# Altium PCB RX.PcbDoc
Units mm, origin at the board's own origin, x right, y up, seen from the top; angles counter-clockwise.
Board outline 38.1 x 60.07 mm, 2 copper layers (Top Layer, Bottom Layer); 114 components, 87 nets, 353 pads, 110 vias.
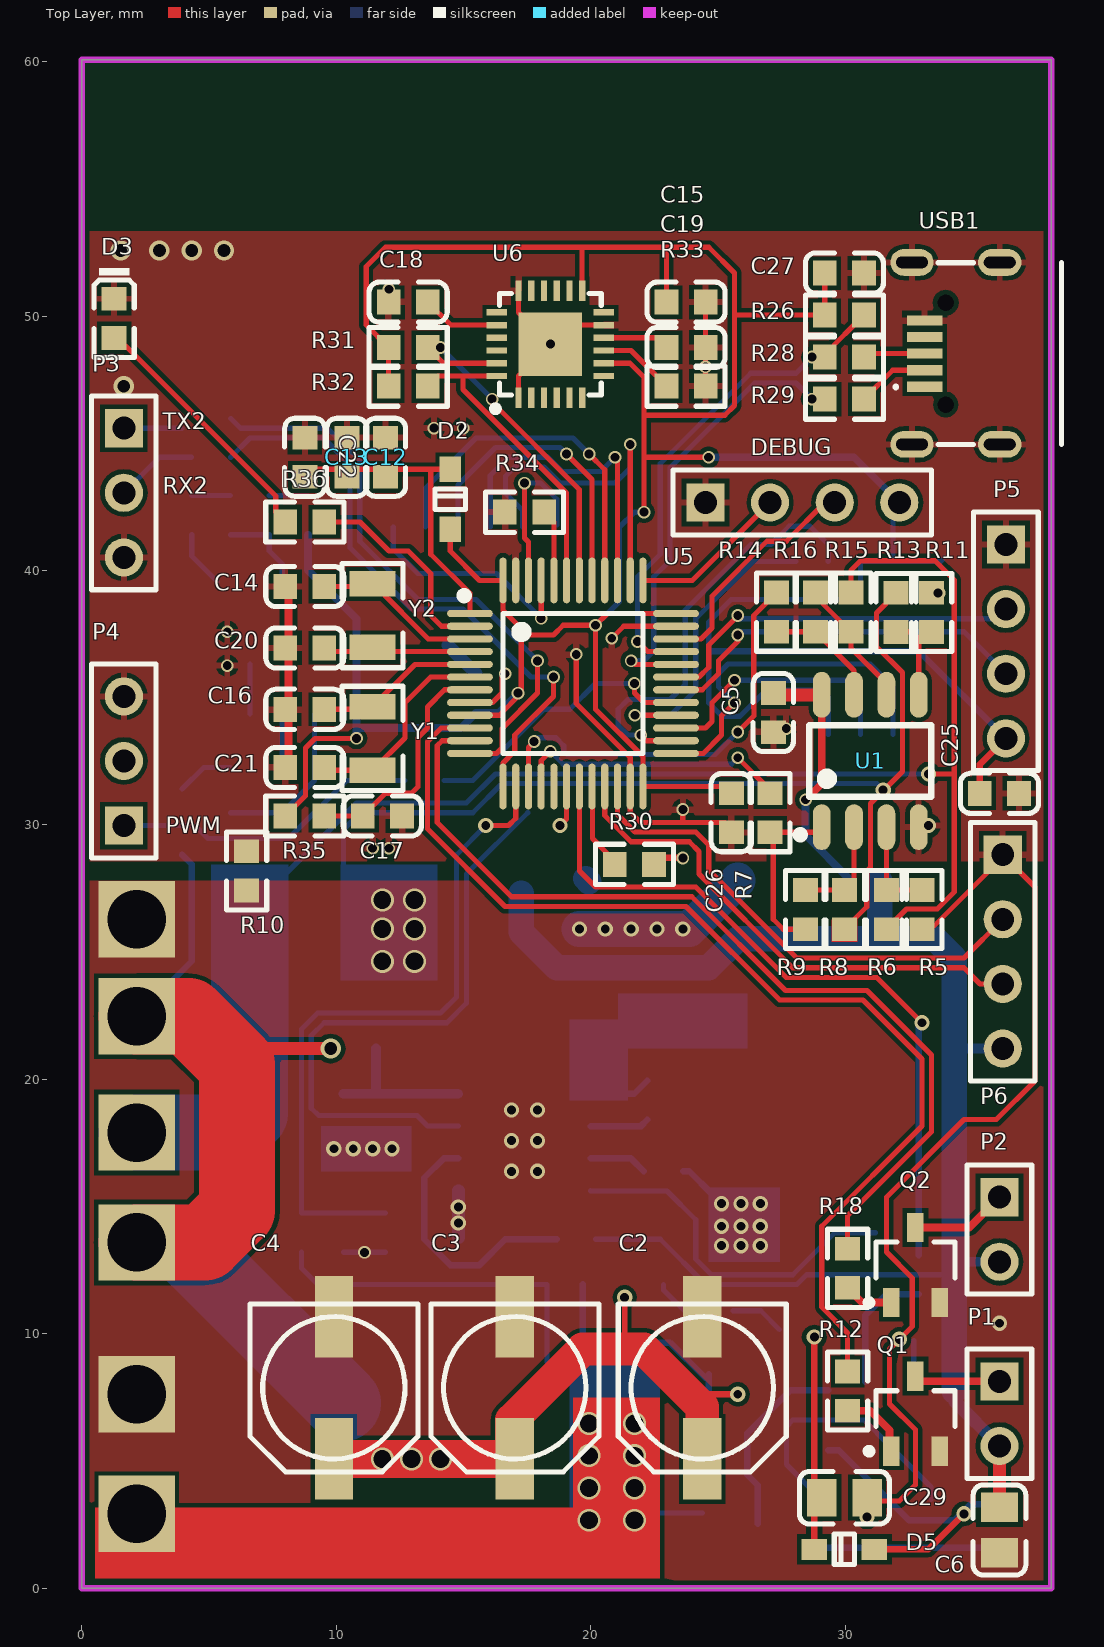
[diagram p0: Top Layer view]
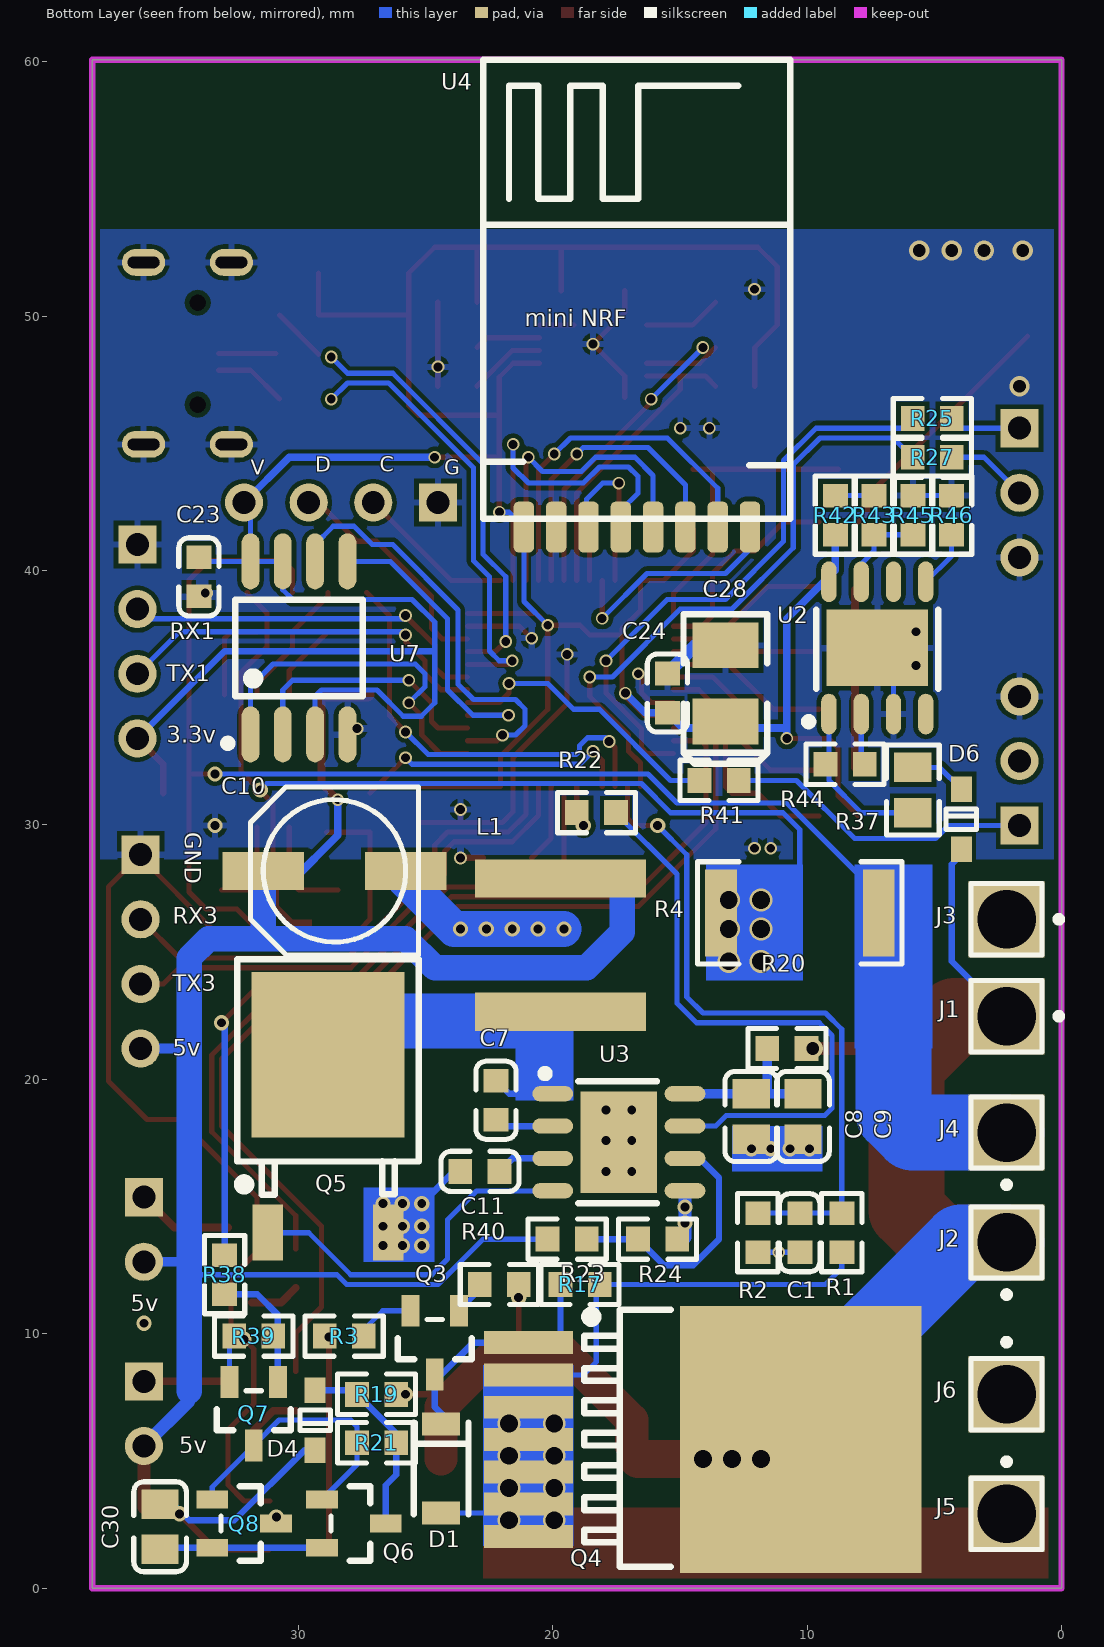
[diagram p1: Bottom Layer view, seen from below]
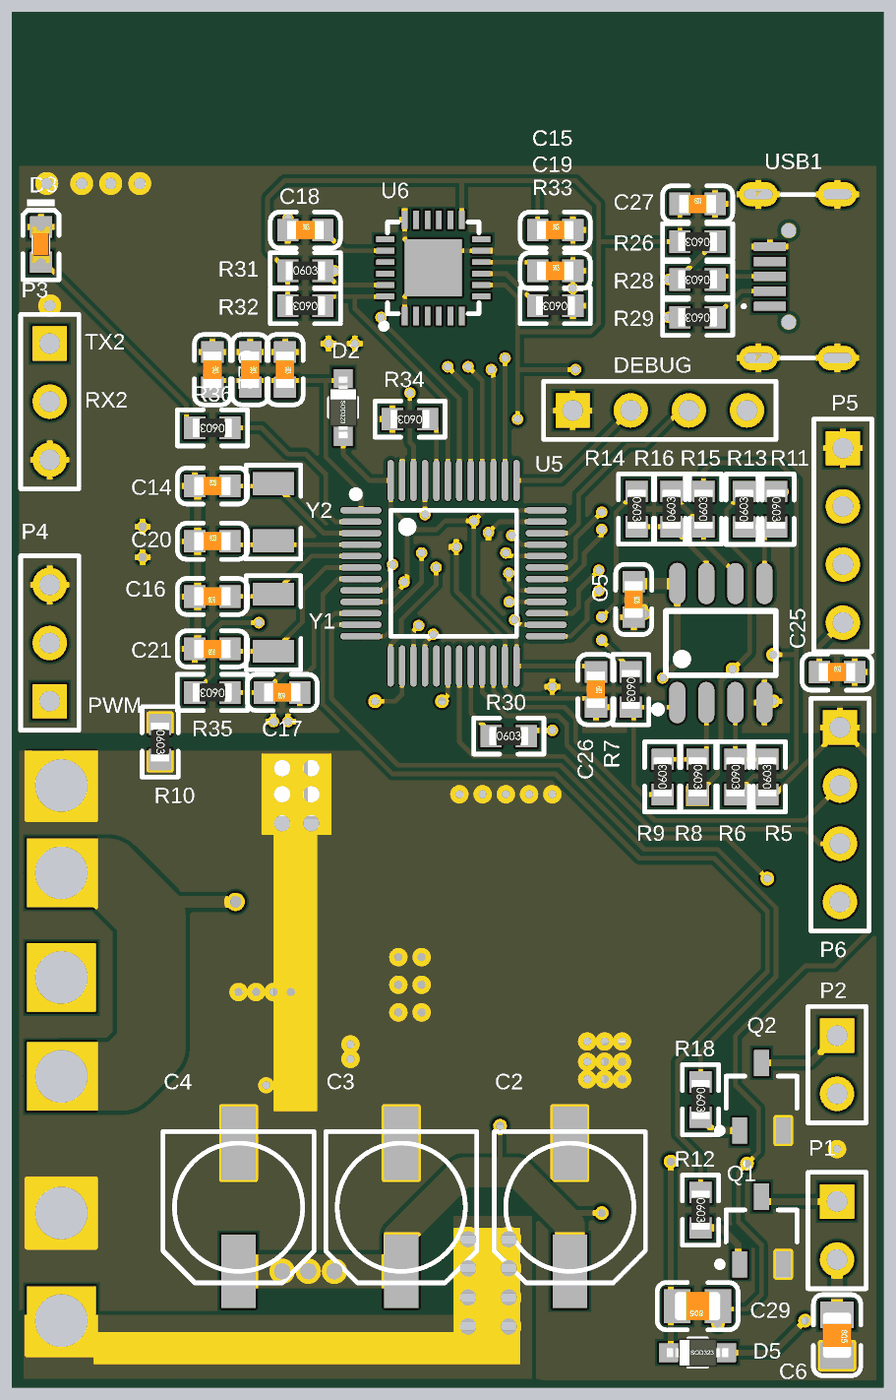
[diagram p2: 3D render of the assembled board from above, using the file's embedded part models]
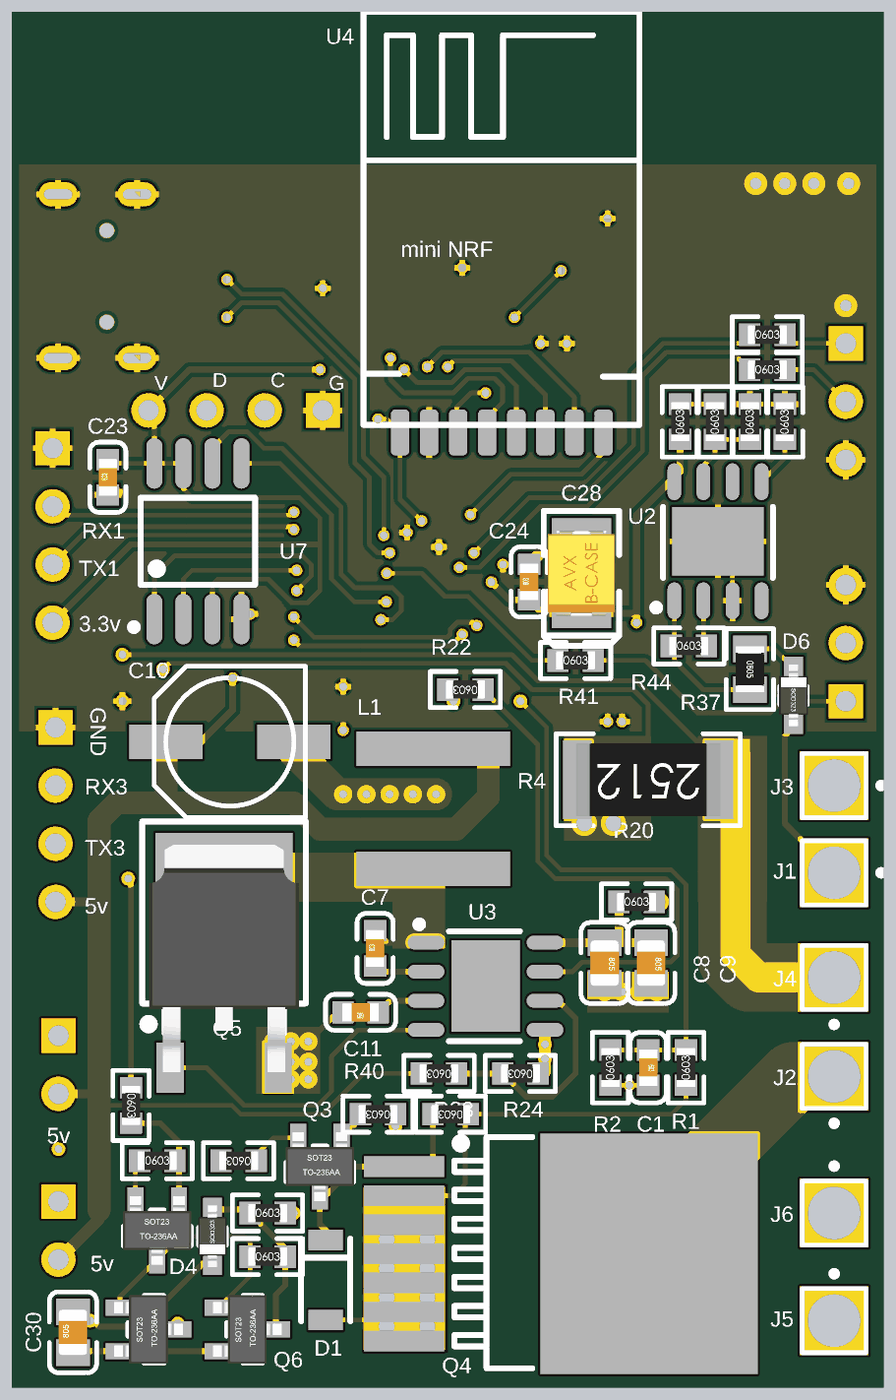
[diagram p3: 3D render of the assembled board from below, using the file's embedded part models]

## Layer stack, top to bottom
Top Layer: signal copper 0.0356
Dielectric: dielectric 0.32, FR-4, Dk 4.8
Bottom Layer: signal copper 0.0356

## Board outline
0,0 38.1,0 38.1,60.071 0,60.071

## Design rules (kind name [scope] priority, off if disabled: settings)
Clearance Clearance_1 [(InNamedPolygon('Top Layer-PGND'))] p1: gap=0.279
Clearance [All] p2: gap=0.178
HoleToHoleClearance [All] p1: gap=0.203 allowstackedmicrovias=TRUE
MinimumSolderMaskSliver [All] p1: minsoldermaskwidth=0.178
PolygonConnect [All] p1: connectstyle=Direct reliefconductorwidth=0.254 reliefentries=4 polygonreliefangle="90 Angle"
RoutingVias [All] p1: holewidth=0.711 width=1.27 viastyle="Through Hole" minholewidth=0.711 minwidth=1.27 maxholewidth=0.711 maxwidth=1.27
SilkToSilkClearance [All] p1: silktosilkclearance=0.203
SilkscreenOverComponentPads [All] p1: minsilkscreentomaskgap=0.102
SolderMaskExpansion [All] p1: expansion=0.102
Width [All] p1: maxlimit=5 minlimit=0.203 preferedwidth=0.254
24 further rules are at their usual default settings.

## Classes and differential pairs
component class U_RX: C12 C13 C14 C15 C16 C17 C18 C19 C20 C21 C22 C23 C24 C25 C26 C27 C28 D2 D3 D6 DEBUG P3 P4 P5 P6 R25 R26 R27 R28 R29 R30 R31 R32 R33 R34 R35 R36 R37 R41 R42 R43 R44 R45 R46 SWIM1 U2 U4 U5 U6 U7 USB1 Y1 Y2
component class U_POWER: C1 C2 C3 C4 C5 C6 C7 C8 C9 C10 C11 C29 C30 D1 D4 D5 J1 J2 J3 J4 J5 J6 L1 P1 P2 Q1 Q2 Q3 Q4 Q5 Q6 Q7 Q8 R1 R2 R3 R4 R5 R6 R7 R8 R9 R10 R11 R12 R13 R14 R15 R16 R17 R18 R19 R20 R21 R22 R23 R24 R38 R39 R40 U1 U3

## Components (designator, comment, footprint, x,y, rotation, side; value= is the part's Value field where it differs from the comment)
C1 "100nF (104) 10% 50V" 0603_C 10.287,13.97 r270 bottom
C2 "100uF" CC6.56.5 24.384,7.874 r90 top
C3 "100uF" CC6.56.5 17.018,7.874 r90 top
C4 "100uF" CC6.56.5 9.906,7.874 r90 top
C5 "100nF (104) 10% 50V" 0603_C 27.178,34.417 r270 top
C6 "10uF" 0805_C 36.068,2.286 r270 top
C7 "100nF" 0603_C 22.225,19.177 r90 bottom
C8 "10uF" 0805_C 12.192,18.542 r270 bottom
C9 "10uF" 0805_C 10.16,18.542 r270 bottom
C10 "100uF" CC6.56.5 28.575,28.194 r180 bottom
C11 "1uF" 0603_C 22.86,16.383 r0 bottom
C12 "10uF" 0603_C 11.938,44.45 r270 top
C13 "10uF" 0603_C 10.414,44.45 r270 top
C14 "15pF (150) 5% 50V" 0603_C 8.763,39.37 r0 top
C15 "100nF (104) 10% 50V" 0603_C 23.749,50.546 r0 top
C16 "15pF (150) 5% 50V" 0603_C 8.763,34.544 r180 top
C17 "1uF (105) 10% 50V" 0603_C 11.811,30.353 r180 top
C18 "10uF" 0603_C 12.827,50.546 r0 top
C19 "100nF" 0603_C 23.749,48.768 r0 top
C20 "15pF (150) 5% 50V" 0603_C 8.763,36.957 r0 top
C21 "15pF (150) 5% 50V" 0603_C 8.763,32.258 r180 top
C22 "10uF" 0603_C 8.763,44.45 r270 top
C23 "100nF (104) 10% 50V" 0603_C 33.909,39.751 r90 bottom
C24 "100nF" 0603_C 15.494,35.179 r90 bottom
C25 "100nF" 0603_C 36.068,31.242 r0 top
C26 "100nF" 0603_C 25.527,30.48 r270 top
C27 "100nF" 0603_C 29.972,51.689 r0 top
C28 "100uF" CASE-B_3528 13.208,35.56 r270 bottom
C29 "10uF" 0805_C 29.972,3.556 r180 top
C30 "10uF" 0805_C 35.433,2.413 r90 bottom
D1 "9V" LL-34 24.384,4.699 r270 bottom
D2 "1N4148WS T4" SOD-323 14.478,42.799 r270 top
D3 "白灯 0603" 0603_LED_S1 1.27,49.911 r270 top
D4 "1N4148WS T4" SOD-323 29.337,6.604 r90 bottom
D5 "1N4148WS T4" SOD-323 29.972,1.524 r0 top
D6 "1N4148WS T4" SOD-323 3.937,30.226 r270 bottom
DEBUG "Header 4" HDR1X4 24.511,42.672 r0 top
J1 "Socket" PIN1 2.159,22.479 r270 bottom
J2 "Socket" PIN1 2.159,13.589 r0 bottom
J3 "Socket" PIN1 2.159,26.289 r270 bottom
J4 "Socket" PIN1 2.159,17.907 r0 bottom
J5 "Socket" PIN1 2.159,2.921 r180 bottom
J6 "Socket" PIN1 2.159,7.62 r180 bottom
L1 "4.3uH ±10%" 2225 19.685,25.273 r270 bottom
P1 "LED1" HDR1X2 36.068,8.128 r270 top
P2 "LED2" HDR1X2 36.068,15.367 r270 top
P3 "Header 3" HDR1X3 1.651,45.593 r270 top
P4 "Header 3" HDR1X3 1.651,29.972 r90 top
P5 "Header 4" HDR1X4 36.322,41.021 r270 top
P6 "Header 4" HDR1X4 36.195,28.829 r270 top
Q1 "AO3400A" SOT-23-3L 32.766,6.858 r270 top
Q2 "AO3400A" SOT-23-3L 32.766,12.7 r270 top
Q3 "SS8550 Y2" SOT-23(SOT-23-3) 24.638,9.652 r90 bottom
Q4 "NMOS" TO-263-7 20.955,5.842 r0 bottom
Q5 "N道沟" TO-252-2 28.829,13.97 r270 bottom
Q6 "SS8050 Y1" SOT-23(SOT-23-3) 27.813,2.54 r0 bottom
Q7 "SS8050 Y1" SOT-23(SOT-23-3) 31.75,6.858 r90 bottom
Q8 "SS8550 Y2" SOT-23(SOT-23-3) 32.131,2.54 r0 bottom
R1 "110KΩ (1103) ±1%" 0603_R 8.636,13.97 r90 bottom
R2 "10KΩ (1002) ±1%" 0603_R 11.938,13.97 r90 bottom
R3 "680Ω (6800) ±1%" 0603_R 28.194,9.906 r0 bottom
R4 "0.001Ω" 2512_R 10.287,26.543 r0 bottom
R5 "100KΩ (3002) ±1%" 0603_R 33.02,26.67 r90 top
R6 "10KΩ (1002) ±1%" 0603_R 31.623,26.67 r270 top
R7 "10KΩ (1002) ±1%" 0603_R 27.051,30.48 r270 top
R8 "10KΩ (1002) ±1%" 0603_R 29.972,26.67 r270 top
R9 "100KΩ (3002) ±1%" 0603_R 28.448,26.67 r90 top
R10 "0Ω (0R0) ±1%" 0603_R 6.477,28.194 r270 top
R11 "100KΩ (3002) ±1%" 0603_R 33.401,38.354 r270 top
R12 "1KΩ" 0603_R 30.099,7.747 r270 top
R13 "10KΩ (1002) ±1%" 0603_R 32.004,38.354 r90 top
R14 "10KΩ (1002) ±1%" 0603_R 27.305,38.362 r270 top
R15 "10KΩ (1002) ±1%" 0603_R 30.226,38.362 r90 top
R16 "100KΩ (3002) ±1%" 0603_R 28.829,38.362 r90 top
R17 "10KΩ" 0603_R 18.923,11.938 r0 bottom
R18 "1KΩ" 0603_R 30.099,12.573 r270 top
R19 "680Ω (6800) ±1%" 0603_R 26.924,7.62 r180 bottom
R20 "0Ω (0R0) ±1%" 0603_R 10.795,21.209 r180 bottom
R21 "4.7KΩ (4701) ±1%" 0603_R 26.924,5.715 r180 bottom
R22 "1KΩ (1001) ±1%" 0603_R 18.28,30.48 r0 bottom
R23 "51KΩ" 0603_R 19.431,13.716 r0 bottom
R24 "10KΩ" 0603_R 15.875,13.716 r0 bottom
R25 "470Ω (4700) ±1%" 0603_R 5.08,45.974 r180 bottom
R26 "4.7KΩ (4701) ±1%" 0603_R 29.972,50.038 r180 top
R27 "470Ω (4700) ±1%" 0603_R 5.08,44.45 r180 bottom
R28 "22Ω (22R0) ±1%" 0603_R 29.972,48.387 r180 top
R29 "22Ω (22R0) ±1%" 0603_R 29.972,46.736 r180 top
R30 "10KΩ (1002) ±1%" 0603_R 21.717,28.448 r0 top
R31 "10KΩ" 0603_R 12.827,48.768 r0 top
R32 "10KΩ" 0603_R 12.827,47.244 r180 top
R33 "10KΩ" 0603_R 23.749,47.244 r180 top
R34 "10KΩ (1002) ±1%" 0603_R 17.399,42.291 r180 top
R35 "10KΩ (1002) ±1%" 0603_R 8.763,30.353 r180 top
R36 "470Ω (4700) ±1%" 0603_R 8.763,41.91 r180 top
R37 "0Ω" 0805_R 5.842,31.369 r270 bottom
R38 "1KΩ" 0603_R 32.893,12.319 r270 bottom
R39 "100KΩ" 0603_R 31.75,9.906 r180 bottom
R40 "10KΩ" 0603_R 22.098,11.938 r0 bottom
R41 "470Ω (4700) ±1%" 0603_R 13.462,31.75 r180 bottom
R42 "4.3KΩ" 0603_R 8.89,42.172 r90 bottom
R43 "160KΩ" 0603_R 7.366,42.172 r90 bottom
R44 "100KΩ" 0603_R 8.509,32.385 r180 bottom
R45 "100KΩ" 0603_R 5.842,42.172 r90 bottom
R46 "10KΩ" 0603_R 4.318,42.172 r90 bottom
U1 "LM358DR2G" SOIC-8_150mil 30.988,32.512 r0 top
U2 "MAX5024" SOIC-8_EP_150mil 7.239,36.957 r180 bottom
U3 "MP38892" SOIC-8_EP_150mil 17.399,17.526 r270 bottom
U4 "NRF24L01" miniNRF24L01 21.463,42.418 r180 bottom locked
U5 "STM32F103C8T6" LQFP-48_7x7x05P 19.304,35.56 r270 top locked
U6 "MPU6050" QFN24 18.415,48.895 r90 top
U7 "W25Q128FVSIG" SOIC-8_208mil 29.972,36.957 r180 bottom
USB1 "USB口" "MICRO USB" 32.639,44.958 r90 top
Y1 "8MHz ±20ppm 20pF" "SMD-3215_2P FC - 135" 11.43,33.401 r90 top
Y2 "32.768KHz ±20ppm 12.5pF" "SMD-3215_2P FC - 135" 11.43,38.227 r90 top

## Footprints (in the part's own frame and the unit in brackets; to place one, negate y for a bottom-side part, rotate by r counter-clockwise, add the part's x,y. Pads: shape width x height; smd on the part's side, far side on the other; paste and mask are expansions set on the pad)
0603_C [mm]
  rect 0.93x0.98 smd: 1(-0.77,0) 2(0.77,0)
  silkscreen extent -1.53,-0.79 1.54,0.79, body extent -0.8,-0.4 0.8,0.4, height 0.3
0603_LED_S1 [mm]
  rect 0.93x0.98 smd: A(0.77,0) K(-0.77,0)
  silkscreen extent -1.97,-0.79 1.54,0.79, body extent -0.8,-0.4 0.8,0.4, height 0.6
0603_R [mm]
  rect 0.93x0.98 smd: 1(-0.77,0) 2(0.77,0)
  silkscreen extent -1.53,-0.79 1.54,0.79, body extent -0.85,-0.4 0.85,0.4, height 0.56
0805_C [mm]
  rect 1.16x1.47 smd: 1(-0.89,0) 2(0.89,0)
  silkscreen extent -1.77,-1.04 1.77,1.04, body extent -1,-0.62 1,0.63, height 0.77
0805_R [mm]
  rect 1.16x1.47 smd: 1(-0.89,0) 2(0.89,0)
  silkscreen extent -1.77,-1.04 1.77,1.03, body extent -1,-0.63 1,0.63, height 0.49
2225 [mm]
  rect 1.5x6.72 smd: 1(-2.62,0) 2(2.62,0)
2512_R [mm]
  rect 1.25x3.42 smd: 1(-3.1,0) 2(3.1,0)
  silkscreen extent -4.03,-2.01 4.02,2.01, body extent -3.16,-1.6 3.16,1.6, height 0.62
CASE-B_3528 [mm]
  rect 1.8x2.6 smd: 1(1.5,0) 2(-1.5,0)
  silkscreen extent -2.73,-1.65 3.16,1.65, body extent -1.85,-1.47 1.85,1.46, height 2.03
CC6.56.5 [mm]
  rect 3.2x1.5 smd: 1(-2.794,0) 2(2.8,0)
  silkscreen extent -3.3,-3.3 3.3,3.3
HDR1X2 [mm] "Connector; Header; 2 Position"
  rect 1.5x1.5 hole 0.9: 1(0,0)
  round 1.5 hole 0.9: 2(2.54,0)
  silkscreen extent -1.27,-1.27 3.81,1.27
HDR1X3 [mm] "Connector; Header; 3 Position"
  rect 1.5x1.5 hole 0.9: 1(0,0)
  round 1.5 hole 0.9: 2(2.54,0) 3(5.08,0)
  silkscreen extent -1.27,-1.27 6.35,1.27
HDR1X4 [mm] "Connector; Header; 4 Position"
  rect 1.5x1.5 hole 0.9: 1(0,0)
  round 1.5 hole 0.9: 2(2.54,0) 3(5.08,0) 4(7.62,0)
  silkscreen extent -1.27,-1.27 8.89,1.27
LL-34 [mm]
  rect 0.9x1.5 smd: 1(1.75,0) 2(-1.75,0)
  silkscreen extent -1.8,-1.08 1.8,1.08
LQFP-48_7x7x05P [mm]
  oval 0.28x1.8 smd mask+0.051: 1(-2.75,-4.05) 2(-2.25,-4.05) 3(-1.75,-4.05) 4(-1.25,-4.05) 5(-0.75,-4.05) 6(-0.25,-4.05) 7(0.25,-4.05) 8(0.75,-4.05) 9(1.25,-4.05) 10(1.75,-4.05) 11(2.25,-4.05) 12(2.75,-4.05) 25(2.75,4.05) 26(2.25,4.05) 27(1.75,4.05) 28(1.25,4.05) 29(0.75,4.05) 30(0.25,4.05) 31(-0.25,4.05) 32(-0.75,4.05) 33(-1.25,4.05) 34(-1.75,4.05) 35(-2.25,4.05) 36(-2.75,4.05)
  oval 1.8x0.28 smd mask+0.051: 13(4.05,-2.75) 14(4.05,-2.25) 15(4.05,-1.75) 16(4.05,-1.25) 17(4.05,-0.75) 18(4.05,-0.25) 19(4.05,0.25) 20(4.05,0.75) 21(4.05,1.25) 22(4.05,1.75) 23(4.05,2.25) 24(4.05,2.75) 37(-4.05,2.75) 38(-4.05,2.25) 39(-4.05,1.75) 40(-4.05,1.25) 41(-4.05,0.75) 42(-4.05,0.25) 43(-4.05,-0.25) 44(-4.05,-0.75) 45(-4.05,-1.25) 46(-4.05,-1.75) 47(-4.05,-2.25) 48(-4.05,-2.75)
  silkscreen extent -3.6,-4.42 2.75,2.75
"MICRO USB" [mm]
  rect 0.4x1.4 smd: 1(2.265,-0.49) 2(2.915,-0.49) 3(3.565,-0.49) 4(4.215,-0.49) 5(4.865,-0.49)
  oval 1.05x1.7 hole 0.45 slot 1.25 at 90 deg: 6(7.15,0.01) 7(7.15,-3.44) 8(0,0.01) 9(0,-3.44)
  round 0.3 hole 0.65: MH1(1.565,-1.315) MH2(5.565,-1.315)
  silkscreen extent 0,-5.87 7.14,0.65
miniNRF24L01 [mm]
  rrect50% 0.8x2 smd: 1(0.33,-0.711) 2(1.6,-0.711) 3(2.87,-0.711) 4(4.14,-0.711) 5(5.41,-0.711) 6(6.68,-0.711) 7(7.95,-0.711) 8(9.22,-0.711)
  silkscreen extent -1.27,-0.38 10.8,17.65
PIN1 [mm] "Generic Antenna; 1 Lead"
  rect 3x3 hole 2.3: 1(0,0)
  silkscreen extent -1.4,-1.4 1.4,2.17
QFN24 [mm]
  rect 0.8x0.25 smd: 1(-2.101,1.25) 2(-2.101,0.75) 3(-2.101,0.25) 4(-2.101,-0.25) 5(-2.101,-0.75) 6(-2.101,-1.25) 13(2.101,-1.25) 14(2.101,-0.75) 15(2.101,-0.25) 16(2.101,0.25) 17(2.101,0.75) 18(2.101,1.25)
  rect 0.25x0.8 smd: 7(-1.25,-2.101) 8(-0.75,-2.101) 9(-0.25,-2.101) 10(0.25,-2.101) 11(0.75,-2.101) 12(1.25,-2.101) 19(1.25,2.101) 20(0.75,2.101) 21(0.25,2.101) 22(-0.25,2.101) 23(-0.75,2.101) 24(-1.25,2.101)
  rect 2.5x2.5 smd: 25(0,0)
  silkscreen extent -2.66,-2 2,2.28
"SMD-3215_2P FC - 135" [mm]
  rect 1x1.8 smd: 1(-1.25,0) 2(1.25,0)
  silkscreen extent -2.05,-1.2 2.05,1.2
SOD-323 [mm]
  rect 1x0.83 smd: 1(1.18,0) 2(-1.18,0)
  silkscreen extent -0.4,-0.6 0.4,0.6, body extent -1.35,-0.62 1.35,0.63, height 1.1
SOIC-8_150mil [mm]
  oval 0.7x1.8 smd: 1(-1.905,-2.6) 2(-0.635,-2.6) 3(0.635,-2.6) 4(1.905,-2.6) 5(1.905,2.6) 6(0.635,2.6) 7(-0.635,2.6) 8(-1.905,2.6)